# KiCad board lagom.kicad_pcb
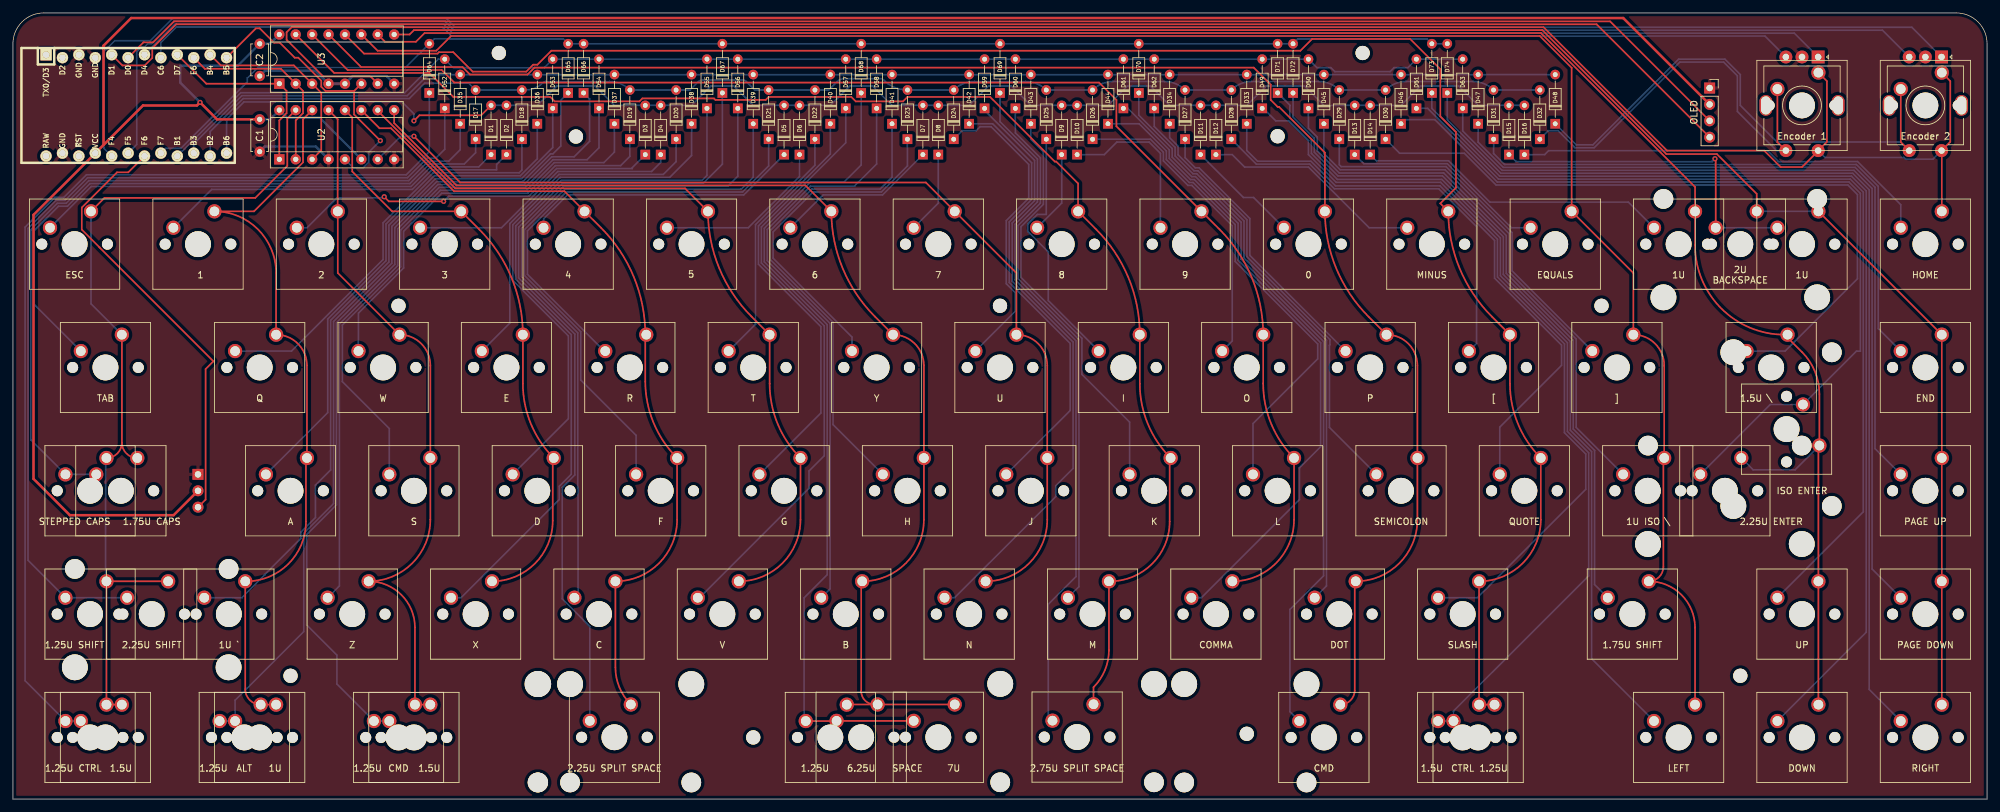
[diagram p0: board, top side]
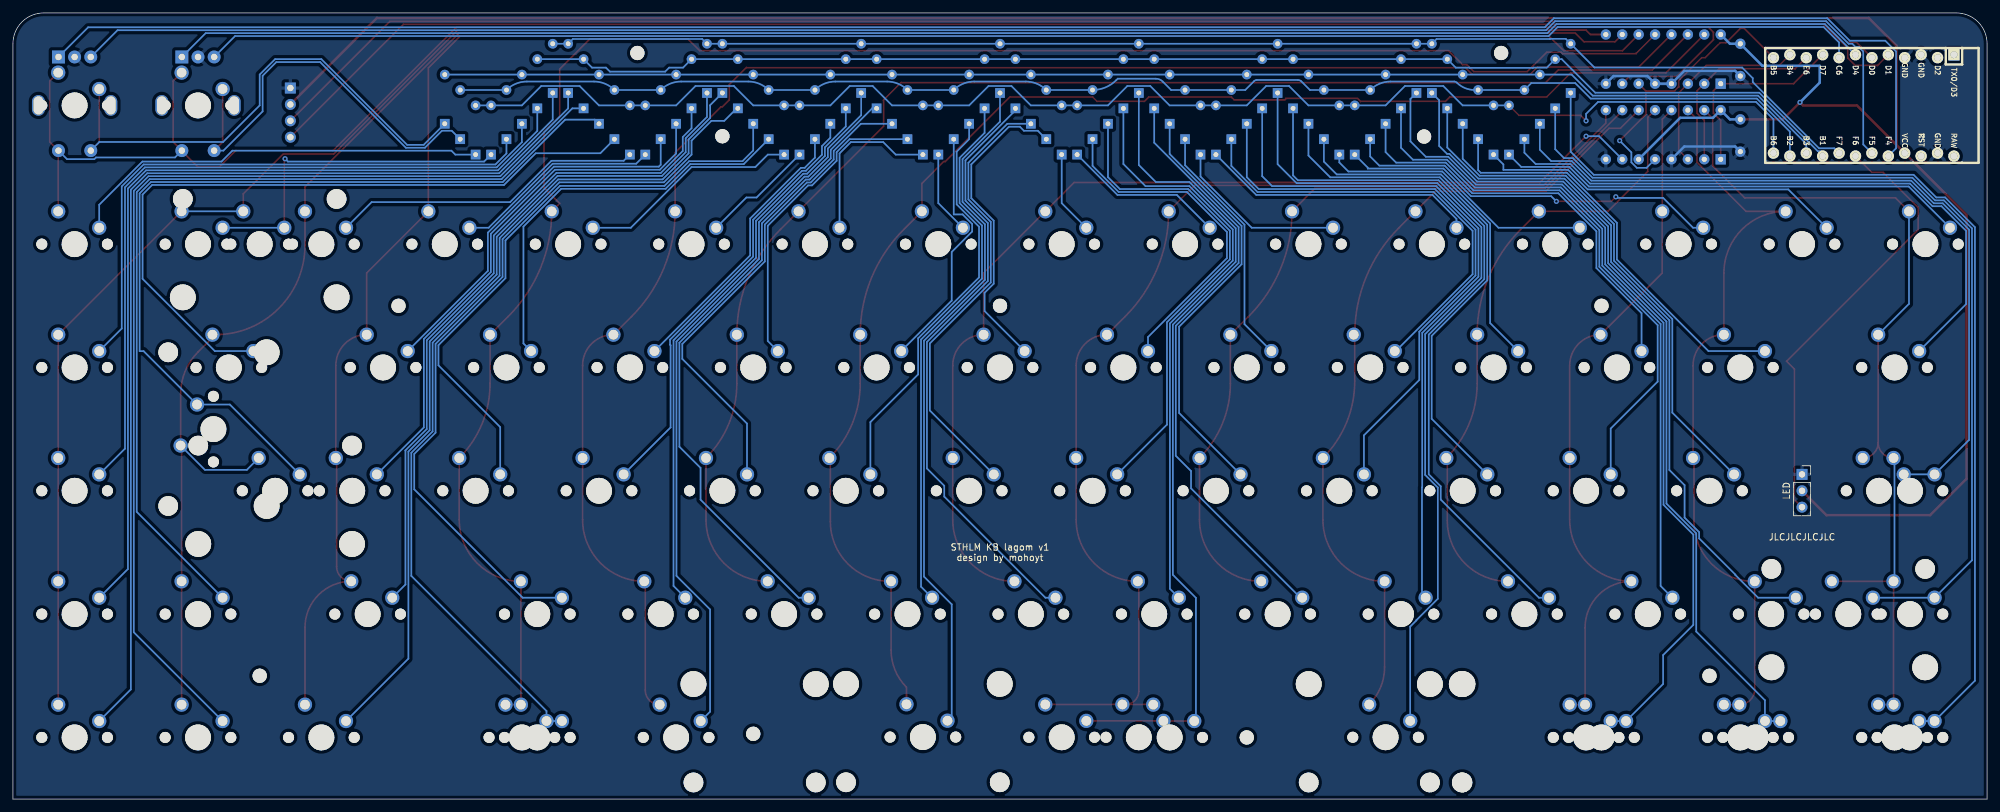
[diagram p1: board, bottom side, seen from below]

Outline 305.6 x 121.76 mm; copper layers: Top, Bottom. Coordinates in mm from the lower left corner of the outline.
Outline path: 0,116.99 0,0 305.6,0 305.6,116.99 arc(304.2,120.36) 300.83,121.76 4.77,121.76 arc(1.4,120.36) 0,116.99
Stack: Top 0.035mm / dielectric 1.51mm FR4 er 4.5 / Bottom 0.035mm

## Placement (name value [footprint] x y rotation side)
C1  0.1uF  [C_Disc_D4.7mm_W2.5mm_P5.00mm]  38.2 105.27 270 top
C2  0.1uF  [C_Disc_D4.7mm_W2.5mm_P5.00mm]  38.2 116.99 270 top
D1  D_Small  [D_DO-34_SOD68_P7.62mm_Horizontal]  74.01 99.82 90 top
D2  D_Small  [D_DO-34_SOD68_P7.62mm_Horizontal]  76.4 99.82 90 top
D3  D_Small  [D_DO-34_SOD68_P7.62mm_Horizontal]  97.89 99.82 90 top
D4  D_Small  [D_DO-34_SOD68_P7.62mm_Horizontal]  100.28 99.82 90 top
D5  D_Small  [D_DO-34_SOD68_P7.62mm_Horizontal]  119.38 99.82 90 top
D6  D_Small  [D_DO-34_SOD68_P7.62mm_Horizontal]  121.76 99.82 90 top
D7  D_Small  [D_DO-34_SOD68_P7.62mm_Horizontal]  140.86 99.82 90 top
D8  D_Small  [D_DO-34_SOD68_P7.62mm_Horizontal]  143.25 99.82 90 top
D9  D_Small  [D_DO-34_SOD68_P7.62mm_Horizontal]  162.35 99.82 90 top
D10  D_Small  [D_DO-34_SOD68_P7.62mm_Horizontal]  164.74 99.82 90 top
D11  D_Small  [D_DO-34_SOD68_P7.62mm_Horizontal]  183.84 99.82 90 top
D12  D_Small  [D_DO-34_SOD68_P7.62mm_Horizontal]  186.22 99.82 90 top
D13  D_Small  [D_DO-34_SOD68_P7.62mm_Horizontal]  207.71 99.82 90 top
D14  D_Small  [D_DO-34_SOD68_P7.62mm_Horizontal]  210.1 99.82 90 top
D15  D_Small  [D_DO-34_SOD68_P7.62mm_Horizontal]  231.59 99.82 90 top
D16  D_Small  [D_DO-34_SOD68_P7.62mm_Horizontal]  233.97 99.82 90 top
D17  D_Small  [D_DO-34_SOD68_P7.62mm_Horizontal]  71.62 102.2 90 top
D18  D_Small  [D_DO-34_SOD68_P7.62mm_Horizontal]  78.79 102.2 90 top
D19  D_Small  [D_DO-34_SOD68_P7.62mm_Horizontal]  95.5 102.2 90 top
D20  D_Small  [D_DO-34_SOD68_P7.62mm_Horizontal]  102.66 102.2 90 top
D21  D_Small  [D_DO-34_SOD68_P7.62mm_Horizontal]  116.99 102.2 90 top
D22  D_Small  [D_DO-34_SOD68_P7.62mm_Horizontal]  124.15 102.2 90 top
D23  D_Small  [D_DO-34_SOD68_P7.62mm_Horizontal]  138.47 102.2 90 top
D24  D_Small  [D_DO-34_SOD68_P7.62mm_Horizontal]  145.64 102.2 90 top
D25  D_Small  [D_DO-34_SOD68_P7.62mm_Horizontal]  159.96 102.2 90 top
D26  D_Small  [D_DO-34_SOD68_P7.62mm_Horizontal]  167.12 102.2 90 top
D27  D_Small  [D_DO-34_SOD68_P7.62mm_Horizontal]  181.45 102.2 90 top
D28  D_Small  [D_DO-34_SOD68_P7.62mm_Horizontal]  188.61 102.2 90 top
D29  D_Small  [D_DO-34_SOD68_P7.62mm_Horizontal]  205.33 102.2 90 top
D30  D_Small  [D_DO-34_SOD68_P7.62mm_Horizontal]  212.49 102.2 90 top
D31  D_Small  [D_DO-34_SOD68_P7.62mm_Horizontal]  229.2 102.2 90 top
D32  D_Small  [D_DO-34_SOD68_P7.62mm_Horizontal]  236.36 102.2 90 top
D33  D_Small  [D_DO-34_SOD68_P7.62mm_Horizontal]  191 104.59 90 top
D34  D_Small  [D_DO-34_SOD68_P7.62mm_Horizontal]  179.06 104.59 90 top
D35  D_Small  [D_DO-34_SOD68_P7.62mm_Horizontal]  69.24 104.59 90 top
D36  D_Small  [D_DO-34_SOD68_P7.62mm_Horizontal]  81.17 104.59 90 top
D37  D_Small  [D_DO-34_SOD68_P7.62mm_Horizontal]  93.11 104.59 90 top
D38  D_Small  [D_DO-34_SOD68_P7.62mm_Horizontal]  105.05 104.59 90 top
D39  D_Small  [D_DO-34_SOD68_P7.62mm_Horizontal]  114.6 104.59 90 top
D40  D_Small  [D_DO-34_SOD68_P7.62mm_Horizontal]  126.54 104.59 90 top
D41  D_Small  [D_DO-34_SOD68_P7.62mm_Horizontal]  136.09 104.59 90 top
D42  D_Small  [D_DO-34_SOD68_P7.62mm_Horizontal]  148.03 104.59 90 top
D43  D_Small  [D_DO-34_SOD68_P7.62mm_Horizontal]  157.57 104.59 90 top
D44  D_Small  [D_DO-34_SOD68_P7.62mm_Horizontal]  169.51 104.59 90 top
D45  D_Small  [D_DO-34_SOD68_P7.62mm_Horizontal]  202.94 104.59 90 top
D46  D_Small  [D_DO-34_SOD68_P7.62mm_Horizontal]  214.87 104.59 90 top
D47  D_Small  [D_DO-34_SOD68_P7.62mm_Horizontal]  226.81 104.59 90 top
D48  D_Small  [D_DO-34_SOD68_P7.62mm_Horizontal]  238.75 104.59 90 top
D49  D_Small  [D_DO-34_SOD68_P7.62mm_Horizontal]  193.39 106.98 90 top
D50  D_Small  [D_DO-34_SOD68_P7.62mm_Horizontal]  200.55 106.98 90 top
D51  D_Small  [D_DO-34_SOD68_P7.62mm_Horizontal]  217.26 106.98 90 top
D52  D_Small  [D_DO-34_SOD68_P7.62mm_Horizontal]  66.85 106.98 90 top
D53  D_Small  [D_DO-34_SOD68_P7.62mm_Horizontal]  83.56 106.98 90 top
D54  D_Small  [D_DO-34_SOD68_P7.62mm_Horizontal]  90.72 106.98 90 top
D55  D_Small  [D_DO-34_SOD68_P7.62mm_Horizontal]  107.44 106.98 90 top
D56  D_Small  [D_DO-34_SOD68_P7.62mm_Horizontal]  112.21 106.98 90 top
D57  D_Small  [D_DO-34_SOD68_P7.62mm_Horizontal]  128.92 106.98 90 top
D58  D_Small  [D_DO-34_SOD68_P7.62mm_Horizontal]  133.7 106.98 90 top
D59  D_Small  [D_DO-34_SOD68_P7.62mm_Horizontal]  150.41 106.98 90 top
D60  D_Small  [D_DO-34_SOD68_P7.62mm_Horizontal]  155.19 106.98 90 top
D61  D_Small  [D_DO-34_SOD68_P7.62mm_Horizontal]  171.9 106.98 90 top
D62  D_Small  [D_DO-34_SOD68_P7.62mm_Horizontal]  176.67 106.98 90 top
D63  D_Small  [D_DO-34_SOD68_P7.62mm_Horizontal]  224.42 106.98 90 top
D64  D_Small  [D_DO-34_SOD68_P7.62mm_Horizontal]  64.46 109.37 90 top
D65  D_Small  [D_DO-34_SOD68_P7.62mm_Horizontal]  85.95 109.37 90 top
D66  D_Small  [D_DO-34_SOD68_P7.62mm_Horizontal]  88.34 109.37 90 top
D67  D_Small  [D_DO-34_SOD68_P7.62mm_Horizontal]  109.82 109.37 90 top
D68  D_Small  [D_DO-34_SOD68_P7.62mm_Horizontal]  131.31 109.37 90 top
D69  D_Small  [D_DO-34_SOD68_P7.62mm_Horizontal]  152.8 109.37 90 top
D70  D_Small  [D_DO-34_SOD68_P7.62mm_Horizontal]  174.29 109.37 90 top
D71  D_Small  [D_DO-34_SOD68_P7.62mm_Horizontal]  195.78 109.37 90 top
D72  D_Small  [D_DO-34_SOD68_P7.62mm_Horizontal]  198.16 109.37 90 top
D73  D_Small  [D_DO-34_SOD68_P7.62mm_Horizontal]  219.65 109.37 90 top
D74  D_Small  [D_DO-34_SOD68_P7.62mm_Horizontal]  222.04 109.37 90 top
J1  Conn_01x04  [PinSocket_1x04_P2.54mm_Vertical]  262.65 110.13 0 top
J2  Conn_01x03  [PinSocket_1x03_P2.54mm_Vertical]  28.65 50.29 180 bottom
REF**  -  [MountingHole_2.2mm_M2]  59.69 76.4 0 top
REF**#2  -  [MountingHole_2.2mm_M2]  195.78 102.66 0 top
REF**#3  -  [MountingHole_2.2mm_M2]  245.91 76.4 0 top
REF**#4  -  [MountingHole_2.2mm_M2]  152.8 76.4 0 top
REF**#5  -  [MountingHole_2.2mm_M2]  42.98 19.09 0 top
REF**#6  -  [MountingHole_2.2mm_M2]  75.22 115.55 0 top
REF**#7  -  [MountingHole_2.2mm_M2]  191 10.11 0 top
REF**#8  -  [MountingHole_2.2mm_M2]  267.4 19.1 0 top
REF**#9  -  [MountingHole_2.2mm_M2]  114.6 9.55 0 top
REF**#10  -  [MountingHole_2.2mm_M2]  208.93 115.55 0 top
REF**#11  -  [MountingHole_2.2mm_M2]  87.16 102.61 0 top
SW83  RotaryEncoder_Switch  [RotaryEncoder_EC11]  276.95 107.44 270 top
SW84  RotaryEncoder_Switch  [RotaryEncoder_EC11]  296.05 107.44 270 top
SW_0  KEYSW  [SW_Cherry_MX_1.00u_PCB]  203.09 91.03 0 top
SW_1  KEYSW  [SW_Cherry_MX_1.00u_PCB]  31.19 91.03 0 top
SW_2  KEYSW  [SW_Cherry_MX_1.00u_PCB]  50.29 91.03 0 top
SW_3  KEYSW  [SW_Cherry_MX_1.00u_PCB]  69.39 91.03 0 top
SW_4  KEYSW  [SW_Cherry_MX_1.00u_PCB]  88.49 91.03 0 top
SW_5  KEYSW  [SW_Cherry_MX_1.00u_PCB]  107.59 91.03 0 top
SW_6  KEYSW  [SW_Cherry_MX_1.00u_PCB]  126.69 91.03 0 top
SW_6.25U_SPACE1  KEYSW  [SW_Cherry_MX_6.25u_PCB]  131.31 10.08 0 top
SW_7  KEYSW  [SW_Cherry_MX_1.00u_PCB]  145.79 91.03 0 top
SW_7U_SPACE1  KEYSW  [SW_Cherry_MX_7u_PCB]  143.25 10.08 0 top
SW_8  KEYSW  [SW_Cherry_MX_1.00u_PCB]  164.89 91.03 0 top
SW_9  KEYSW  [SW_Cherry_MX_1.00u_PCB]  183.99 91.03 0 top
SW_/1  KEYSW  [SW_Cherry_MX_1.00u_PCB]  226.97 33.73 0 top
SW_A1  KEYSW  [SW_Cherry_MX_1.00u_PCB]  45.52 52.83 0 top
SW_ANSI_\1  KEYSW  [SW_Cherry_MX_1.50u_PCB]  274.72 71.93 0 top
SW_ANSI_ENT1  KEYSW  [SW_Cherry_MX_2.25u_PCB#2]  267.55 52.83 0 top
SW_B1  KEYSW  [SW_Cherry_MX_1.00u_PCB]  131.47 33.73 0 top
SW_BCKSP1  KEYSW  [SW_Cherry_MX_2.00u_PCB]  269.94 91.03 0 top
SW_BCKSP_1U1  KEYSW  [SW_Cherry_MX_1.00u_PCB]  260.39 91.03 0 top
SW_C1  KEYSW  [SW_Cherry_MX_1.00u_PCB]  93.26 33.73 0 top
SW_CAPS1  KEYSW  [SW_Cherry_MX_1.75u_PCB]  19.25 52.83 0 top
SW_COMMA1  KEYSW  [SW_Cherry_MX_1.00u_PCB]  188.76 33.73 0 top
SW_D1  KEYSW  [SW_Cherry_MX_1.00u_PCB]  83.72 52.83 0 top
SW_DEL1  KEYSW  [SW_Cherry_MX_1.00u_PCB]  279.49 91.03 0 top
SW_DOT1  KEYSW  [SW_Cherry_MX_1.00u_PCB]  207.86 33.73 0 top
SW_DOWN1  KEYSW  [SW_Cherry_MX_1.00u_PCB]  279.49 14.63 0 top
SW_E1  KEYSW  [SW_Cherry_MX_1.00u_PCB]  78.94 71.93 0 top
SW_ENC1  KEYSW  [SW_Cherry_MX_1.00u_PCB]  279.49 112.52 0 top
SW_ENC2  KEYSW  [SW_Cherry_MX_1.00u_PCB]  298.59 112.52 0 top
SW_END1  KEYSW  [SW_Cherry_MX_1.00u_PCB]  298.59 71.93 0 top
SW_EQUAL1  KEYSW  [SW_Cherry_MX_1.00u_PCB]  241.29 91.03 0 top
SW_ESC1  KEYSW  [SW_Cherry_MX_1.00u_PCB]  12.09 91.03 0 top
SW_F1  KEYSW  [SW_Cherry_MX_1.00u_PCB]  102.81 52.83 0 top
SW_G1  KEYSW  [SW_Cherry_MX_1.00u_PCB]  121.91 52.83 0 top
SW_H1  KEYSW  [SW_Cherry_MX_1.00u_PCB]  141.01 52.83 0 top
SW_HOME1  KEYSW  [SW_Cherry_MX_1.00u_PCB]  298.59 91.03 0 top
SW_I1  KEYSW  [SW_Cherry_MX_1.00u_PCB]  174.44 71.93 0 top
SW_ISO_\1  KEYSW  [SW_Cherry_MX_1.00u_PCB]  255.61 52.83 0 top
SW_ISO_`1  KEYSW  [SW_Cherry_MX_1.00u_PCB]  35.96 33.73 0 top
SW_ISO_ENT1  KEYSW  [SW_Cherry_MX_ISOEnter_PCB_Flipped_Rotated]  274.56 57.3 0 top
SW_ISO_LSHF1  KEYSW  [SW_Cherry_MX_1.25u_PCB]  14.48 33.73 0 top
SW_J1  KEYSW  [SW_Cherry_MX_1.00u_PCB]  160.11 52.83 0 top
SW_K1  KEYSW  [SW_Cherry_MX_1.00u_PCB]  179.22 52.83 0 top
SW_L1  KEYSW  [SW_Cherry_MX_1.00u_PCB]  198.31 52.83 0 top
SW_LALT_1.25U1  KEYSW  [SW_Cherry_MX_1.25u_PCB]  38.35 14.63 0 top
SW_LALT_1U1  KEYSW  [SW_Cherry_MX_1.00u_PCB]  40.74 14.63 0 top
SW_LCMD_1.25U1  KEYSW  [SW_Cherry_MX_1.25u_PCB]  62.23 14.63 0 top
SW_LCOM_1.5U1  KEYSW  [SW_Cherry_MX_1.50u_PCB]  64.62 14.63 0 top
SW_LCTRL_1.5U1  KEYSW  [SW_Cherry_MX_1.50u_PCB]  16.87 14.63 0 top
SW_LCTRL_1.25U1  KEYSW  [SW_Cherry_MX_1.25u_PCB]  14.48 14.63 0 top
SW_LEFT1  KEYSW  [SW_Cherry_MX_1.00u_PCB]  260.39 14.63 0 top
SW_LSHF1  KEYSW  [SW_Cherry_MX_2.25u_PCB#2]  24.03 33.73 0 top
SW_LSQBR1  KEYSW  [SW_Cherry_MX_1.00u_PCB]  231.74 71.93 0 top
SW_M1  KEYSW  [SW_Cherry_MX_1.00u_PCB]  169.66 33.73 0 top
SW_MINUS1  KEYSW  [SW_Cherry_MX_1.00u_PCB]  222.19 91.03 0 top
SW_N1  KEYSW  [SW_Cherry_MX_1.00u_PCB]  150.56 33.73 0 top
SW_O1  KEYSW  [SW_Cherry_MX_1.00u_PCB]  193.54 71.93 0 top
SW_P1  KEYSW  [SW_Cherry_MX_1.00u_PCB]  212.64 71.93 0 top
SW_PGDN1  KEYSW  [SW_Cherry_MX_1.00u_PCB]  298.59 33.73 0 top
SW_PGUP1  KEYSW  [SW_Cherry_MX_1.00u_PCB]  298.59 52.83 0 top
SW_Q1  KEYSW  [SW_Cherry_MX_1.00u_PCB]  40.74 71.93 0 top
SW_QUOTE1  KEYSW  [SW_Cherry_MX_1.00u_PCB]  236.52 52.83 0 top
SW_R1  KEYSW  [SW_Cherry_MX_1.00u_PCB]  98.04 71.93 0 top
SW_R_CMD1  KEYSW  [SW_Cherry_MX_1.25u_PCB]  205.48 14.63 0 top
SW_R_CTRL_1.5U1  KEYSW  [SW_Cherry_MX_1.50u_PCB]  226.97 14.63 0 top
SW_R_CTRL_1.25U1  KEYSW  [SW_Cherry_MX_1.25u_PCB]  229.35 14.63 0 top
SW_RIGHT1  KEYSW  [SW_Cherry_MX_1.00u_PCB]  298.59 14.63 0 top
SW_RSHIFT1  KEYSW  [SW_Cherry_MX_1.75u_PCB]  253.23 33.73 0 top
SW_RSQBR1  KEYSW  [SW_Cherry_MX_1.00u_PCB]  250.84 71.93 0 top
SW_S1  KEYSW  [SW_Cherry_MX_1.00u_PCB]  64.62 52.83 0 top
SW_SEMICOLON1  KEYSW  [SW_Cherry_MX_1.00u_PCB]  217.41 52.83 0 top
SW_SPL_SPACE_L1  KEYSW  [SW_Cherry_MX_2.25u_PCB]  95.65 15.16 0 top
SW_SPL_SPACE_M1  KEYSW  [SW_Cherry_MX_1.25u_PCB]  129.08 14.63 0 top
SW_SPL_SPACE_R1  KEYSW  [SW_Cherry_MX_2.75u_PCB]  164.74 10.11 0 top
SW_STEP_CAPS1  KEYSW  [SW_Cherry_MX_1.25u_PCB]  14.48 52.83 0 top
SW_T1  KEYSW  [SW_Cherry_MX_1.00u_PCB]  117.14 71.93 0 top
SW_TAB1  KEYSW  [SW_Cherry_MX_1.50u_PCB]  16.87 71.93 0 top
SW_U1  KEYSW  [SW_Cherry_MX_1.00u_PCB]  155.34 71.93 0 top
SW_UP1  KEYSW  [SW_Cherry_MX_1.00u_PCB]  279.49 33.73 0 top
SW_V1  KEYSW  [SW_Cherry_MX_1.00u_PCB]  112.36 33.73 0 top
SW_W1  KEYSW  [SW_Cherry_MX_1.00u_PCB]  59.84 71.93 0 top
SW_X1  KEYSW  [SW_Cherry_MX_1.00u_PCB]  74.16 33.73 0 top
SW_Y1  KEYSW  [SW_Cherry_MX_1.00u_PCB]  136.24 71.93 0 top
SW_Z1  KEYSW  [SW_Cherry_MX_1.00u_PCB]  55.07 33.73 0 top
U1  ProMicro  [ArduinoProMicro-ZigZag]  19.1 107.44 0 bottom
U2  74HC138  [DIP-16_W7.62mm_Socket]  41.24 99.09 90 top
U3  74HC138  [DIP-16_W7.62mm_Socket]  41.24 110.8 90 top

## Footprints (pads in the part's own frame, mm; a bottom-side part is the same pattern mirrored in y, then rotated)
ArduinoProMicro-ZigZag
  rect 1.753x1.753 hole 1.092: 1(-13.97,-7.849)
  round 1.753 hole 1.092: 2(-11.43,-7.391) 3(-8.89,-7.849) 4(-6.35,-7.391) 5(-3.81,-7.849) 6(-1.27,-7.391) 7(1.27,-7.849) 8(3.81,-7.391) 9(6.35,-7.849) 10(8.89,-7.391) 11(11.43,-7.849) 12(13.97,-7.391) 13(13.97,7.391) 14(11.43,7.849) 15(8.89,7.391) 16(6.35,7.849) 17(3.81,7.391) 18(1.27,7.849) 19(-1.27,7.391) 20(-3.81,7.849) 21(-6.35,7.391) 22(-8.89,7.849) 23(-11.43,7.391) 24(-13.97,7.849)
C_Disc_D4.7mm_W2.5mm_P5.00mm
  round 1.6 hole 0.8: 1(0,0) 2(5,0)
D_DO-34_SOD68_P7.62mm_Horizontal
  rect 1.5x1.5 hole 0.75: 1(0,0)
  oval 1.5x1.5 hole 0.75: 2(7.62,0)
DIP-16_W7.62mm_Socket
  rect 1.6x1.6 hole 0.8: 1(0,0)
  oval 1.6x1.6 hole 0.8: 2(0,-2.54) 3(0,-5.08) 4(0,-7.62) 5(0,-10.16) 6(0,-12.7) 7(0,-15.24) 8(0,-17.78) 9(7.62,-17.78) 10(7.62,-15.24) 11(7.62,-12.7) 12(7.62,-10.16) 13(7.62,-7.62) 14(7.62,-5.08) 15(7.62,-2.54) 16(7.62,0)
MountingHole_2.2mm_M2
  round 2.2 hole 2.2 unplated: (0,0)
PinSocket_1x03_P2.54mm_Vertical
  rect 1.7x1.7 hole 1: 1(0,0)
  oval 1.7x1.7 hole 1: 2(0,-2.54) 3(0,-5.08)
PinSocket_1x04_P2.54mm_Vertical
  rect 1.7x1.7 hole 1: 1(0,0)
  oval 1.7x1.7 hole 1: 2(0,-2.54) 3(0,-5.08) 4(0,-7.62)
RotaryEncoder_EC11
  oval 3.2x2 hole 2.8x1.5 unplated: (0,5.6) (0,-5.6)
  rect 2x2 hole 1: A(-7.5,2.5)
  round 2 hole 1: B(-7.5,-2.5) C(-7.5,0) S1(7,-2.5) S2(7,2.5)
SW_Cherry_MX_1.00u_PCB
  round 1.7 hole 1.7 unplated: (-7.62,-5.08) (2.54,-5.08)
  round 4 hole 4 unplated: (-2.54,-5.08)
  round 2.2 hole 1.5: 1(0,0) 2(-6.35,-2.54)
SW_Cherry_MX_1.25u_PCB
  round 1.7 hole 1.7 unplated: (-7.62,-5.08) (2.54,-5.08)
  round 4 hole 4 unplated: (-2.54,-5.08)
  round 2.2 hole 1.5: 1(0,0) 2(-6.35,-2.54)
SW_Cherry_MX_1.50u_PCB
  round 1.7 hole 1.7 unplated: (-7.62,-5.08) (2.54,-5.08)
  round 4 hole 4 unplated: (-2.54,-5.08)
  round 2.2 hole 1.5: 1(0,0) 2(-6.35,-2.54)
SW_Cherry_MX_1.75u_PCB
  round 1.7 hole 1.7 unplated: (-7.62,-5.08) (2.54,-5.08)
  round 4 hole 4 unplated: (-2.54,-5.08)
  round 2.2 hole 1.5: 1(0,0) 2(-6.35,-2.54)
SW_Cherry_MX_2.00u_PCB
  round 3.05 hole 3.05 unplated: (-14.44,1.92) (9.36,1.92)
  round 4 hole 4 unplated: (-14.44,-13.32) (-2.54,-5.08) (9.36,-13.32)
  round 1.7 hole 1.7 unplated: (-7.62,-5.08) (2.54,-5.08)
  round 2.2 hole 1.5: 1(0,0) 2(-6.35,-2.54)
SW_Cherry_MX_2.25u_PCB
  round 4 hole 4 unplated: (-14.44,2.652) (-2.54,-5.588) (9.36,2.652)
  round 3.05 hole 3.05 unplated: (-14.44,-12.588) (9.36,-12.588)
  round 1.7 hole 1.7 unplated: (-7.62,-5.588) (2.54,-5.588)
  round 2.2 hole 1.5: 1(0,-0.508) 2(-6.35,-3.048)
SW_Cherry_MX_2.25u_PCB#2
  round 3.05 hole 3.05 unplated: (-14.44,1.92) (9.36,1.92)
  round 4 hole 4 unplated: (-14.44,-13.32) (-2.54,-5.08) (9.36,-13.32)
  round 1.7 hole 1.7 unplated: (-7.62,-5.08) (2.54,-5.08)
  round 2.2 hole 1.5: 1(0,0) 2(-6.35,-2.54)
SW_Cherry_MX_2.75u_PCB
  round 4 hole 4 unplated: (-11.9,7.732) (0,-0.508) (11.9,7.732)
  round 3.05 hole 3.05 unplated: (-11.9,-7.508) (11.9,-7.508)
  round 1.7 hole 1.7 unplated: (-5.08,-0.508) (5.08,-0.508)
  round 2.2 hole 1.5: 1(2.54,4.572) 2(-3.81,2.032)
SW_Cherry_MX_6.25u_PCB
  round 4 hole 4 unplated: (-50,7.732) (0,-0.508) (50,7.732)
  round 3.05 hole 3.05 unplated: (-50,-7.508) (50,-7.508)
  round 1.7 hole 1.7 unplated: (-5.08,-0.508) (5.08,-0.508)
  round 2.2 hole 1.5: 1(2.54,4.572) 2(-3.81,2.032)
SW_Cherry_MX_7u_PCB
  round 4 hole 4 unplated: (-57,7.732) (0,-0.508) (57,7.732)
  round 3.05 hole 3.05 unplated: (-57,-7.508) (57,-7.508)
  round 1.7 hole 1.7 unplated: (-5.08,-0.508) (5.08,-0.508)
  round 2.2 hole 1.5: 1(2.54,4.572) 2(-3.81,2.032)
SW_Cherry_MX_ISOEnter_PCB_Flipped_Rotated
  round 4 hole 4 unplated: (-8.24,11.9) (-8.24,-11.9) (0,0)
  round 1.7 hole 1.7 unplated: (0,5.08) (0,-5.08)
  round 3.05 hole 3.05 unplated: (7,11.9) (7,-11.9)
  round 2.2 hole 1.5: 1(5.08,-2.54) 2(2.54,3.81)

## Nets
GND: C1.2 C2.2 J1.1 J2.1 SW83.C SW84.C U1.3 U1.4 U1.23 U2.4 U2.8 U3.4 U3.5 U3.8
VCC: C1.1 C2.1 J1.2 J2.2 U1.21 U2.6 U2.16 U3.16
col0: SW_CAPS1.1 SW_ESC1.1 SW_ISO_LSHF1.1 SW_LCTRL_1.5U1.1 SW_LCTRL_1.25U1.1 SW_LSHF1.1 SW_STEP_CAPS1.1 SW_TAB1.1 U2.15
col1: SW_1.1 SW_A1.1 SW_ISO_`1.1 SW_LALT_1.25U1.1 SW_LALT_1U1.1 SW_Q1.1 U2.14
col2: SW_2.1 SW_LCMD_1.25U1.1 SW_LCOM_1.5U1.1 SW_S1.1 SW_W1.1 SW_Z1.1 U2.13
col3: SW_3.1 SW_D1.1 SW_E1.1 SW_X1.1 U2.12
col4: SW_4.1 SW_C1.1 SW_F1.1 SW_R1.1 SW_SPL_SPACE_L1.1 U2.11
col5: SW_5.1 SW_G1.1 SW_T1.1 SW_V1.1 U2.10
col6: SW_6.1 SW_6.25U_SPACE1.1 SW_7U_SPACE1.1 SW_B1.1 SW_H1.1 SW_SPL_SPACE_M1.1 SW_Y1.1 U2.9
col7: SW_7.1 SW_J1.1 SW_N1.1 SW_U1.1 U2.7
col8: SW_8.1 SW_I1.1 SW_K1.1 SW_M1.1 SW_SPL_SPACE_R1.1 U3.15
col9: SW_9.1 SW_COMMA1.1 SW_L1.1 SW_O1.1 U3.14
col10: SW_0.1 SW_DOT1.1 SW_P1.1 SW_R_CMD1.1 SW_SEMICOLON1.1 U3.13
col11: SW_/1.1 SW_LSQBR1.1 SW_MINUS1.1 SW_QUOTE1.1 SW_R_CTRL_1.5U1.1 SW_R_CTRL_1.25U1.1 U3.12
col12: SW_EQUAL1.1 SW_ISO_\1.1 SW_LEFT1.1 SW_RSHIFT1.1 SW_RSQBR1.1 U3.11
col13: SW_ANSI_\1.1 SW_ANSI_ENT1.1 SW_BCKSP_1U1.1 SW_DOWN1.1 SW_ISO_ENT1.1 SW_UP1.1 U3.10
col14: SW_BCKSP1.1 SW_DEL1.1 SW_END1.1 SW_PGDN1.1 SW_PGUP1.1 SW_RIGHT1.1 U3.9
encA: SW83.A U1.7
encB: SW83.B U1.8
encC: SW84.A U1.20
encD: SW84.B U1.19
LED: J2.3 U1.18
mux0: U1.9 U2.1 U3.1
mux1: U1.10 U2.2 U3.2
mux2: U1.11 U2.3 U3.3
mux3: U1.12 U2.5 U3.6
RotA: D32.1 SW83.S1 SW_ENC1.2
RotB: SW83.S2 SW84.S2 SW_ENC1.1 SW_ENC2.1 SW_HOME1.1 U3.7
RotC: D48.1 SW84.S1 SW_ENC2.2
row0: D1.2 D2.2 D3.2 D4.2 D5.2 D6.2 D7.2 D8.2 D9.2 D10.2 D11.2 D12.2 D13.2 D14.2 D15.2 D16.2 U1.13
row1: D17.2 D18.2 D19.2 D20.2 D21.2 D22.2 D23.2 D24.2 D25.2 D26.2 D27.2 D28.2 D29.2 D30.2 D31.2 D32.2 U1.14
row2: D33.2 D34.2 D35.2 D36.2 D37.2 D38.2 D39.2 D40.2 D41.2 D42.2 D43.2 D44.2 D45.2 D46.2 D47.2 D48.2 U1.15
row3: D49.2 D50.2 D51.2 D52.2 D53.2 D54.2 D55.2 D56.2 D57.2 D58.2 D59.2 D60.2 D61.2 D62.2 D63.2 U1.16
row4: D64.2 D65.2 D66.2 D67.2 D68.2 D69.2 D70.2 D71.2 D72.2 D73.2 D74.2 U1.17
SCL: J1.3 U1.6
SDA: J1.4 U1.5
Net-(D1-Pad1): D1.1 SW_ESC1.2
Net-(D2-Pad1): D2.1 SW_1.2
Net-(D3-Pad1): D3.1 SW_2.2
Net-(D4-Pad1): D4.1 SW_3.2
Net-(D5-Pad1): D5.1 SW_4.2
Net-(D6-Pad1): D6.1 SW_5.2
Net-(D7-Pad1): D7.1 SW_6.2
Net-(D8-Pad1): D8.1 SW_7.2
Net-(D9-Pad1): D9.1 SW_8.2
Net-(D10-Pad1): D10.1 SW_9.2
Net-(D11-Pad1): D11.1 SW_0.2
Net-(D12-Pad1): D12.1 SW_MINUS1.2
Net-(D13-Pad1): D13.1 SW_EQUAL1.2
Net-(D14-Pad1): D14.1 SW_BCKSP_1U1.2
Net-(D15-Pad1): D15.1 SW_BCKSP1.2 SW_DEL1.2